# Altium PCB SAMC21_Xplained_Pro.PcbDoc (part 2 of 4)
Units mm, origin at the board's own origin, x right, y up, seen from the top; angles counter-clockwise.
Board outline 60 x 100 mm, 4 copper layers (Top Layer LF-signals, GND, POWER, Bottom Layer LF-signals), stack 1.604 mm thick; 232 components, 162 nets, 1000 pads, 364 vias.
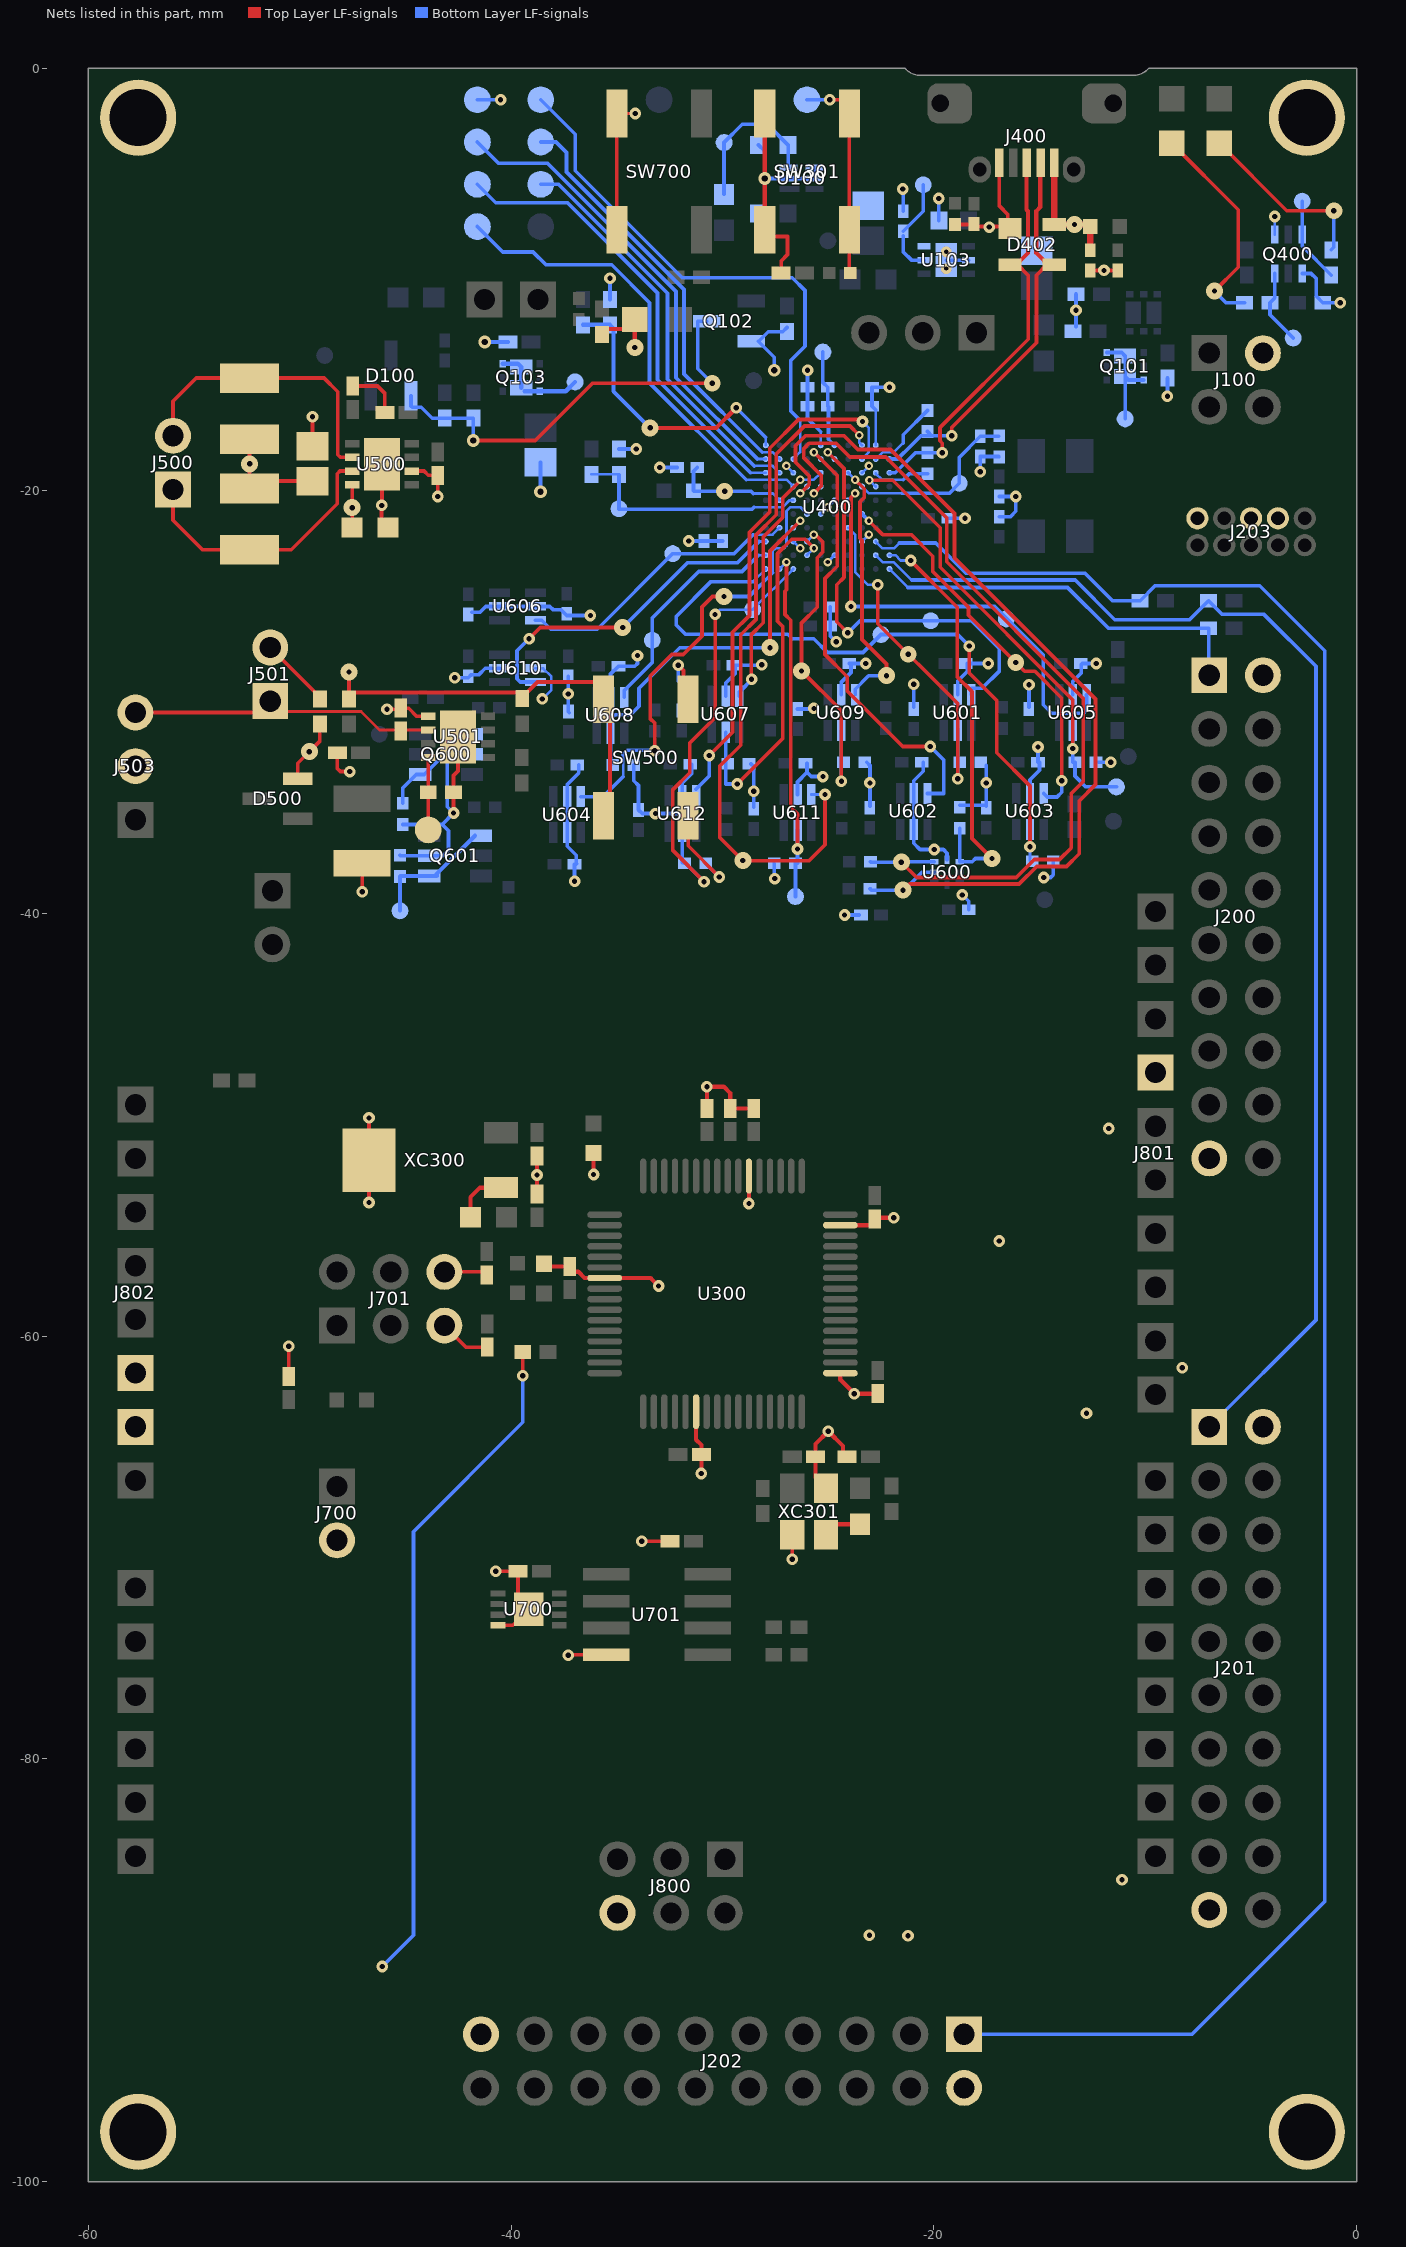
[diagram p4: the nets of this part, all layers, seen from the top]

## Part data
C100 C101 C104: library part A01-0377, "Ceramic capacitor, SMD 0603, X5R, 10V, 10% (de31036)"
C102 C304 C305 C306 C307 C308 C310 C404 C410 C411 C412 C413 C502 C503 C506 C600 C601 C602 C603 C604 C605 C606 C607 C608 C609 C610 C611 C612 C613 C614 C615 C616 C617 C618 C619 C620 C621 C622 C623 C624 C625 C700 C701 C702 C703 C704: library part A01-0246, "Ceramic capacitor, SMD 0402, X7R, 16V, +/-10%"
C103 C105 C107: library part A01-0500, "Ceramic capacitor, SMD 0805, X5R, 10V, ±20%"
C106: library part A01-0050, "Ceramic capacitor, SMD 0402, X7R, 25V, +/-10%"
C108 C309: library part A01-0491, "Ceramic capacitor, SMD 0603, X5R, 16V, 10UF ± 20% (High Density)"
C109 C406 C407 C408: library part A01-0321, "Ceramic capacitor, SMD 0402, C0G, 50V, +/-5%"
C300: library part A01-0286, "Ceramic capacitor, SMD 0402, X5R, 6.3V, +/-10% (de26942)"
C301: library part A01-0046, "Ceramic capacitor, SMD 0402, X7R, 25V, +/-10% (de35287)"
C302 C303: library part A01-0014, "Ceramic capacitor, SMD 0402, NP0, 50V, +/-5%"
C318 C319 C402: library part A01-0015, "Ceramic capacitor, SMD 0402, NP0, 50V, +/-5%"
C400 C401: library part A01-0019, "Ceramic capacitor, SMD 0402, NP0, 50V, +/-5%"
C403: library part A01-0046, "Ceramic capacitor, SMD 0402, X7R, 25V, +/-10%"
C405 C409 C414 C415: library part A01-0300, "Ceramic capacitor, SMD 0402, X5R, 6.3V, +/-20%"
C500: library part A01-0400, "Ceramic capacitor, SMD 0805, X5R, 25V, ±10 %"
C501: library part A01-0017, "Ceramic capacitor, SMD 0402, NP0, 50V, +/-5%"
C504: library part A01-0586, "Ceramic capacitor, SMD 1210, X7S , 50V, ±10%"
C505: library part A01-0030, "Ceramic capacitor, SMD 0402, X7R, 50V, +/-10%"
CS700: library part QTouchButton
D100: library part A04-0001, "Schottky diode, V(rrm)=30V, I(f)=0.1A, V(f)=0.4V (at If = 0.01A), I(r)=0.5uA (at Vrrm), t(rr)=5ns, SMD SOT23"
D400: library part A10-0018, "LED, Green, Wave length=575nm, SMD 0805, ±70°"
D401 D700: library part A10-0019, "LED, Yellow, Wave length=591nm, SMD 0805, ±70°"
D402: library part A06-0236, "Double rail-to-rail USB ESD protection diode"
D500: library part A04-0011, "High-speed Double Diode"
E1 E2 E3 E4: library part A08-0053, "2.8mm adhesive feet,diam 8.0mm"
J100: library part A08-1519, "Pin header, 2x2, Right Angle, 2.54mm, THT, Pin In Paste"
J101: library part A08-0764, "1x2 pin header, right angle, 2.54 mm pitch, through-hole"
J102 J503: library part A08-1799, "1x3 pin header, 2.54mm pitch, Pin-in-Paste THM, 1mm hole"
J103 J104 J105 J106 J300 J302 J504: library part A09-0783, "Default closed SMD strap, 0603 size"
J200 J201 J202: library part A08-1513, "Pin header, 2x10, Right Angle, 2.54mm, THM, Pin In Paste"
J203: library part A08-0385, "2x5 pin header, 1.27mm pitch, THM"
J400: library part A08-2112, "Micro USB AB Connector, Standard SMT + DIP"
J500 J501 J502 J700: library part A08-1754, "1x2 pin header, 2.54mm pitch, Pin-in-Paste THM"
J701 J800: library part A08-1654, "2x3 pin header, 2.54mm pitch, Pin-in-Paste THM"
J801: library part A08-2026, "1x10 receptacle pin header, low insertion force, 2.54mm pitch THM, Pin in Paste"
J802 J804: library part A08-2025, "1x8 receptacle pin header, low insertion force, 2.54mm pitch THM, Pin in Paste"
J803: library part A08-2024, "1x6 receptacle pin header, low insertion force, 2.54mm pitch THM"
JS100 JS101 JS500 JS501: library part A08-0543, "Jumper cap for 2.54mm pinheader"
L300 L401 L402 L700: library part A03-0035, "SMD RF inductor 0603. Z=470Ohm (@100MHz), Max R(dc)=0.65Ohm, Max current=1A"
LABEL1: library part A09-0611, "PCBA identification label PP Top White Gloss"
Q100 Q101 Q103: library part A05-0146, "Dual P-Channel MOSFET, -20V, RDS(ON) < 55 mOhm @-3.4A@-4.5V"
Q102: library part A05-0085, "N-Channel MOSFET. 60V, 0.300A continuous, 1.2A Peak. RDS(ON) = 3.8Ohm@VGS=4.5V, VGS(th)<2.5V"
Q400: library part A05-0051, "Dual N-Channel MOSFET, 60V, 115mA cont,RDS(ON) < 7.5 Ohm @50mA@5V, SOT-363"
Q600 Q601: library part A05-0040, "Dual N/P-ch MOSFET, 20V, 2.7A/-1.9A cont, 8A/-8A pulse, RDS(ON)<0.08/0.17Ohm@VGS=4.5V, VGS(th)<1.5/-1.5V, SSOT6"
R100 R106 R107 R300 R506 R600 R603 R604 R605 R606 R608 R613 R615 R616 R617 R622 R623 R624: library part A02-0260, "Thick film resistor, SMD 0402, 1/16W, 1%"
R103 R410 R413 R424: library part A02-0284, "Thick film resistor, SMD 0402, 1/16W, 1%"
R104 R301 R401 R402 R409 R503: library part A02-0212, "Thick film resistor, SMD 0402, 1/16W, 1%"
R105 R502 R701: library part A02-0236, "Thick film resistor, SMD 0402, 1/16W, 1%"
R109 R110 R111 R112: library part A02-0252, "Thick film resistor, SMD 0402, 1/16W, 1%"
R304 R421 R422 R609 R700: library part A02-0178, "Thick film resistor, SMD 0402, 1/16W, 1%"
R305 R306 R504 R601 R602: library part A02-0228, "Thick film resistor, SMD 0402, 1/16W, 1%"
R313 R314 R610 R611 R612: library part A02-0163, "Thick film resistor, SMD 0402, 1/16W, 1%"
R411 R412 R607 R614 R618 R619 R620 R621 R702: library part A02-0200, "Thick film resistor, SMD 0402, 1/16W, 1%"
R423: library part A02-0539, "Thick film resistor, SMD 0402, 1/16W, 1%"
R500 R501: library part A02-0760, "Thick film resistor, SMD 1210, 0.5W, 1%"
R505: library part A02-0222, "Thick film resistor, SMD 0402, 1/16W, 1%"
R800: library part A02-0163, "RES 0.0 OHM 1/16W 0402 SMD"
SW301 SW500 SW700: library part A08-0790, "6.2x6.2 mm SMD tact switch, same as A08-0091 but less force is needed"
TP300 TP301 TP400 TP401 TP402 TP403 TP404 TP405 TP406 TP407 TP500: library part A08-0004, "Single SMD testpad"
U100: library part A06-0719, "LDO, 200 mA, Iq=31 uA, Vdo=250mV, Vout=3.3V, VIN= 2 V to 5.5V, SON-6 package"
U103: library part A06-1135, "Low noise LDO, 500 mA, Vout=3.3V, 2% accuracy, IQ=46uA, noise=28uVrms, VIN= 2.7V to 6.5V, Vdo=280mV,stable with low ESR capacitor"
U300: library part A06-1192, "Atmel 32-bit RISC MCU 64pin"
U400: library part A06-0736, "AVR 32-bit RISC MCU"
U500: library part A06-1172, "5Mbit/s CAN Trasceiver,VCC = 5V, VIO = 2.8-5V, 3x3 mm VDFN8"
U501: library part A06-1194, "LIN Transceiver"
U600: library part A06-0714, "Dual supply, 2-bit, voltage translator, buffer, repeater, isolator for I2C applications"
U601 U602 U603 U604 U605 U606 U607 U608 U609 U610 U611 U612: library part A06-1038, "Single-Bit Dual-Supply Bus Transceiver with Configurable Voltage Translation and 3-State Outputs"
U700: library part A06-1181, "Secure authentication and product validation device, EEPROM, I2C, 2.0 - 5.5V, UDFN8"
U701: library part A06-1182, "Secure authentication and product validation device, EEPROM, I2C, 2.0 - 5.5V, SOIC8"
XC300: library part A07-0052, "32k768 crystal, +-20ppm, CL=7pF, max ESR 60kOhm, SMD"
XC301: library part A07-0078, "16MHz uXtal, 3.2 x 2.5 mm SMD, CL=9pF, 15PPM, ESR=80ohm(Max."
XC400: library part A07-0042, "Fox FQ5032B 12.0MHz SMD crystal 738B-12"

## Free pads (board coordinates)
  round 0.8 smd far side: 0(-29.925,-3.525) 2(-45.263,-39.875) 3(-25.012,-8.175) 3(-20.5,-5.525)
  round 0.8 smd far side paste-1: 3(-48.825,-13.6) 3(-46.237,-31.525) 3(-36.975,-14.85) 3(-34.9,-20.85) 3(-33.325,-27.075) 3(-32.35,-22.975) 3(-28.573,-25.623) 3(-28.529,-14.787) 3(-26.55,-39.2) 3(-25.25,-13.438) 3(-22.5,-26.8) 3(-20.15,-26.15) 3(-18.8,-19.65) 3(-16.575,-26.063) 3(-14.75,-39.35) 3(-11.5,-35.637) 3(-11.362,-34.012) 3(-10.95,-16.6) 3(-10.8,-32.575) 3(-3,-12.775) 3(-2.575,-6.3)
  round 3.6 hole 2.7 paste-2.6: 666(-57.65,-97.65) 666(-57.65,-2.35) 666(-2.35,-97.65) 666(-2.35,-2.35)

## Via types
v1: diameter 0.55, hole 0.25, Top Layer LF-signals to Bottom Layer LF-signals, 217 vias
v2: diameter 0.55, hole 0.25, Top Layer LF-signals to Bottom Layer LF-signals, tented both sides, 57 vias
v3: diameter 0.55/0.8 (per signal layer), hole 0.25, Top Layer LF-signals to Bottom Layer LF-signals, tented top, 37 vias
v4: diameter 0.55, hole 0.25, Top Layer LF-signals to Bottom Layer LF-signals, tented top, 14 vias
v5: diameter 0.6, hole 0.3, Top Layer LF-signals to Bottom Layer LF-signals, 11 vias
v6: diameter 0.4, hole 0.2, Top Layer LF-signals to Bottom Layer LF-signals, tented both sides, 10 vias
v7: diameter 0.4, hole 0.2, Top Layer LF-signals to Bottom Layer LF-signals, tented top, 7 vias
v8: diameter 0.4, hole 0.2, Top Layer LF-signals to Bottom Layer LF-signals, 6 vias
v9: diameter 0.5, hole 0.2, Top Layer LF-signals to Bottom Layer LF-signals, 2 vias
v10: diameter 0.6/0.8 (per signal layer), hole 0.3, Top Layer LF-signals to Bottom Layer LF-signals, tented top, 2 vias
v11: diameter 0.55/0.55 (per signal layer), hole 0.25, Top Layer LF-signals to Bottom Layer LF-signals, 1 vias

## Nets (pads, with @x,y where several pads share a name; then routed paths per layer and width w, separated by ;. In a path a pad name is that pad's centre, name@x,y a point inside that pad or via, vN(x,y) a via of type N, cw(c..) or ccw(c..) an arc to the next point about the centre after c; other vN are vias at no path point)
CANH: J500.1@-56,-19.94 R500.2 U500.7 | length 12.9
  Top Layer LF-signals w0.175: J500.1@-56,-19.94 -56,-21.395 -54.6,-22.795 R500.2@-52.375,-22.795 -50.4,-22.795 -48.225,-20.62 -48.225,-19.195 -48.1,-19.07 U500.7@-47.524,-19.07
CANL: J500.2@-56,-17.4 R501.1 U500.6 | length 13.9
  Top Layer LF-signals w0.175: J500.2@-56,-17.4 -56,-15.77 -54.9,-14.67 R501.1@-52.375,-14.67 -48.85,-14.67 -48.2,-15.32 -48.2,-18.295 -48.075,-18.42 U500.6@-47.524,-18.42
EDBG_ADC0: R111.1 R112.2 U400.K10 | length 13.8
  Top Layer LF-signals w0.2: v3(-33.425,-17.025) -30.3,-17.025 v2(-29.35,-16.075)
  Bottom Layer LF-signals w0.125: U400.K10@-27.95,-17.85 -27.95,-17.475
  Bottom Layer LF-signals w0.175: v2(-29.35,-16.075) -27.95,-17.475
  Bottom Layer LF-signals w0.2: R111.1@-36.6,-12.15 R112.2@-35.325,-12.15 -35.154,-12.321 -35.154,-15.296 v3(-33.425,-17.025)
EDBG_ADC1: pad.3@-34.9,-20.85 R109.1 R110.2 U400.H6 | length 11.3
  Bottom Layer LF-signals w0.125: R109.1@-36.2,-19.225 R110.2@-34.9,-19.225 ; -28.5,-20.775 -27.147,-20.775 -26.822,-20.45 U400.H6@-26.65,-20.45
  Bottom Layer LF-signals w0.175: pad.3@-34.9,-20.875 -28.6,-20.875 -28.5,-20.775 ; pad.3@-34.9,-20.85 R110.2@-34.9,-19.238
EDBG_CDC_UART_OE: R606.1 U400.D4 U601.5 | length 16.6
  Top Layer LF-signals w0.175: v1(-22.65,-24.45) -22.65,-26.287 -18.875,-30.063 v1(-18.875,-33.625) v1@-18.9,-33.6
  Bottom Layer LF-signals w0.125: U400.D4@-24.05,-21.75 -23.722,-22.079 -23.722,-23.855 -23.126,-24.45 v1(-22.65,-24.45)
  Bottom Layer LF-signals w0.175: v1(-18.875,-33.625) R606.1@-18.875,-32.85 ; R606.1@-18.875,-32.775 U601.5@-18.875,-31.275
  other v3: -21.213,-27.738
EDBG_CDC_UART_RX: pad.3@-20.15,-26.15 U400.E9 U601.3 | length 20.7
  Top Layer LF-signals w0.175: v7(-25.025,-18.175) -24.25,-18.95 -24.25,-24.1 -24.6,-24.45 -24.6,-26.2 v1(-24.075,-26.725)
  Bottom Layer LF-signals w0.15: v7(-25.025,-18.175) U400.E9@-24.7,-18.5
  Bottom Layer LF-signals w0.175: v1(-24.075,-26.725) -23.5,-26.15 -18.225,-26.15 -16.9,-27.475 -16.9,-28.525 -17.725,-29.35 -18.225,-29.35 U601.3@-18.225,-29.65
EDBG_CDC_UART_TX: U400.F9 U602.3 | length 21.2
  Top Layer LF-signals w0.175: v7(-25.675,-18.175) -24.575,-19.275 -24.575,-23.575 -25.15,-24.15 -25.15,-27.75 -24.1,-28.8 -24.1,-29.475 -21.475,-32.1 v1(-20.175,-32.1)
  Bottom Layer LF-signals w0.15: v7(-25.675,-18.175) U400.F9@-25.35,-18.5
  Bottom Layer LF-signals w0.175: U602.3@-20.3,-34.325 -19.537,-34.325 -19.537,-32.737 v1(-20.175,-32.1)
EDBG_DGI_GPIO0: U400.F8 U607.3 | length 12.7
  Top Layer LF-signals w0.175: v2(-28.625,-28.925) -28.646,-28.904 -28.646,-26.821 -28.075,-26.25 -28.075,-22.19 -27.145,-21.26 -27.145,-20.347 v6@-26.299,-19.501
  Bottom Layer LF-signals w0.125: v6(-26.325,-19.475) -25.675,-19.475 U400.F8@-25.35,-19.15
  Bottom Layer LF-signals w0.175: U607.3@-29.2,-29.725 -29.2,-29.525 -28.575,-28.9 -28.575,-28.875 v2@-28.6,-28.85
EDBG_DGI_GPIO0_EN: R615.1 U400.G2 U607.5 | length 17.5
  Top Layer LF-signals w0.175: v2(-29.3,-33.875) -27.152,-31.727 -27.152,-26.422 -27.4,-26.175 -27.4,-22.975 -26.725,-22.3 -26.1,-22.3 v8(-25.675,-22.725)
  Bottom Layer LF-signals w0.125: U400.G2@-26,-23.05 v8(-25.675,-22.725)
  Bottom Layer LF-signals w0.175: U607.5@-29.85,-31.425 -29.85,-32.925 -29.85,-33.875 v2(-29.3,-33.875)
EDBG_DGI_GPIO1: U400.D8 U609.3 | length 12.5
  Top Layer LF-signals w0.175: v6(-23.725,-19.475) -23.29,-19.91 -23.29,-20.315 -23.498,-20.523 -23.498,-21.9 -23.498,-22.25 -23.398,-22.35 -23.398,-27.04 -22.237,-28.2 v3(-22.237,-28.75)
  Bottom Layer LF-signals w0.125: U400.D8@-24.05,-19.15 v6(-23.725,-19.475)
  Bottom Layer LF-signals w0.175: U609.3@-23.725,-29.65 -23.725,-29.388 -23.088,-28.75 v3(-22.237,-28.75)
EDBG_DGI_GPIO1_EN: R617.1 U400.G3 U609.5 | length 16
  Top Layer LF-signals w0.125: v8(-25.679,-22.079) v8@-25.596,-22.079
  Top Layer LF-signals w0.175: v8@-25.596,-22.079 -25.253,-22.422 -25.253,-22.903 -25.523,-23.173 -25.523,-25.512 -26.263,-26.253 v3(-26.263,-28.525) -24.375,-30.413 v2(-24.375,-33.75)
  Bottom Layer LF-signals w0.125: U400.G3@-26,-22.4 v8(-25.679,-22.079)
  Bottom Layer LF-signals w0.175: v2(-24.375,-33.75) U609.5@-24.375,-31.35
EDBG_DGI_GPIO2: U400.C10 U611.3 | length 33.2
  Top Layer LF-signals w0.175: v1(-25.15,-34.375) -25.15,-36.75 -25.9,-37.5 v3(-29.037,-37.5) -30.125,-36.412 -30.125,-33.025 -29.14,-32.04 -29.14,-26.815 -28.415,-26.09 -28.415,-22.092 -27.455,-21.132 -27.455,-18.267 -26.123,-16.935 -23.965,-16.935 v7@-23.55,-17.35
  Bottom Layer LF-signals w0.125: U611.3@-25.8,-34.375 v1(-25.15,-34.375) ; v7(-23.525,-17.375) -23.525,-17.725 U400.C10@-23.4,-17.85
EDBG_DGI_GPIO2_EN: pad.3@-26.55,-39.2 R622.1 U400.J1 U611.5 | length 17.4
  Top Layer LF-signals w0.175: v8(-26.975,-23.375) -26.975,-24.68 -27.048,-24.752 -27.048,-25.852 -26.775,-26.125 -26.775,-34.975 -26.45,-35.3 v1(-26.45,-36.95)
  Bottom Layer LF-signals w0.125: U400.J1@-27.3,-23.7 v8(-26.975,-23.375)
  Bottom Layer LF-signals w0.175: pad.3@-26.55,-39.2 R622.1@-26.55,-37.625 ; R622.1@-26.45,-37.625 v1(-26.45,-36.95) U611.5@-26.45,-36.075
EDBG_DGI_GPIO3: U400.C9 U612.3 | length 24.6
  Top Layer LF-signals w0.175: v2(-30.625,-32.525) -29.525,-31.425 -29.525,-26.7 -28.725,-25.9 -28.725,-21.963 -27.765,-21.003 -27.765,-17.99 -26.4,-16.625 -23.475,-16.625 v2(-23.375,-16.725)
  Bottom Layer LF-signals w0.125: U400.C9@-23.4,-18.5 -23.075,-18.175 -23.075,-17.025 v2(-23.375,-16.725)
  Bottom Layer LF-signals w0.175: U612.3@-31.25,-34.125 -30.625,-33.5 v2(-30.625,-32.525)
EDBG_DGI_GPIO3_EN: pad.3@-28.573,-25.623 R623.1 U400.H1 U612.5 | length 21.4
  Top Layer LF-signals w0.175: v1(-30.875,-38.5) -32.348,-37.027 -32.348,-34.135 -31.55,-33.337 -31.55,-31.938 -30.35,-30.738 v2@-30.35,-25.851
  Bottom Layer LF-signals w0.125: v2(-30.351,-25.851) -30.123,-25.623 pad.3@-28.573,-25.623 U400.H1@-26.65,-23.7
  Bottom Layer LF-signals w0.175: R623.1@-31.9,-37.6 U612.5@-31.9,-36.125 ; R623.1@-31.8,-37.625 -31.75,-37.625 v1(-30.875,-38.5)
EDBG_DGI_I2C_OE: R604.2 U400.A2 U600.5 | length 20
  Top Layer LF-signals w0.175: v1(-21.1,-23.3) -18.889,-25.511 -18.889,-28.814 -18.2,-29.504 -18.2,-36.45 v3(-17.25,-37.4)
  Bottom Layer LF-signals w0.125: U400.A2@-22.1,-23.05 -21.825,-23.05 -21.575,-23.3 v1(-21.1,-23.3)
  Bottom Layer LF-signals w0.175: R604.2@-18.775,-35.975 -18.77,-35.98 U600.5@-18.77,-37.545 ; U600.5@-18.77,-37.55 -18.185,-37.55 -18.035,-37.4 v3(-17.25,-37.4)
EDBG_DGI_I2C_SCL: R602.1 U400.F7 U600.3 | length 41.9
  Top Layer LF-signals w0.175: v6(-25.675,-20.125) -25.325,-19.775 -25.325,-19.275 -26.15,-18.45 -26.15,-18 -25.903,-17.753 -24.625,-17.753 -23.978,-18.4 -22.275,-18.4 -19.39,-21.285 -19.39,-23.362 -12.927,-29.825 -12.927,-33.756 -13.498,-34.327 -13.498,-36.898 -14.05,-37.45 -15.25,-37.45 -16.1,-38.3 -20.813,-38.3 v3(-21.538,-37.575)
  Bottom Layer LF-signals w0.125: v6(-25.675,-20.125) U400.F7@-25.35,-19.8
  Bottom Layer LF-signals w0.175: R602.1@-23,-37.55 -22.975,-37.575 v3(-21.538,-37.575) -21.513,-37.55 U600.3@-19.98,-37.55
EDBG_DGI_I2C_SDA: R601.1 U400.G7 U600.2 | length 44.1
  Top Layer LF-signals w0.175: v6(-26.325,-20.125) -25.9,-19.7 -25.9,-19.302 -26.55,-18.652 -26.55,-17.875 -26.075,-17.4 -24.25,-17.4 -23.6,-18.05 -22.05,-18.05 -19.023,-21.077 -19.023,-23.181 -12.35,-29.854 -12.35,-33.9 -13.125,-34.675 -13.125,-37.175 -13.725,-37.775 -15.137,-37.775 -15.972,-38.61 -21.148,-38.61 v3@-21.488,-38.95
  Bottom Layer LF-signals w0.125: v6(-26.325,-20.125) U400.G7@-26,-19.8
  Bottom Layer LF-signals w0.175: R601.1@-23.025,-38.825 -22.95,-38.9 v3(-21.462,-38.9) ; v3@-21.462,-38.95 -20.562,-38.05 U600.2@-19.98,-38.05
EDBG_DGI_SPI_MISO: pad.3@-33.325,-27.075 U400.K2 U608.3 | length 10.9
  Bottom Layer LF-signals w0.125: -28.3,-23.05 U400.K2@-27.95,-23.05
  Bottom Layer LF-signals w0.175: U608.3@-34.65,-29.775 -34.65,-29.45 -33.325,-28.125 -33.325,-26.025 -31.125,-23.825 -29.075,-23.825 -28.3,-23.05
EDBG_DGI_SPI_MOSI: U400.K3 U610.3 | length 16.2
  Top Layer LF-signals w0.175: v1(-39.152,-27.001) -38.626,-26.475 v3(-34.725,-26.475)
  Bottom Layer LF-signals w0.125: -28.275,-22.4 U400.K3@-27.95,-22.4
  Bottom Layer LF-signals w0.175: v1(-39.152,-27.001) -39.725,-27.574 -39.725,-28.9 -39.575,-29.05 U610.3@-38.85,-29.05 ; v3(-34.725,-26.475) -31.65,-23.4 -29.275,-23.4 -28.275,-22.4
EDBG_DGI_SPI_OE: R616.1 U400.H4 U608.5 | length 18.7
  Top Layer LF-signals w0.175: v3(-27.75,-27.425) -27.75,-22.85 v8@-26.325,-21.425
  Bottom Layer LF-signals w0.125: U400.H4@-26.65,-21.75 v8(-26.325,-21.425)
  Bottom Layer LF-signals w0.175: R616.1@-35.3,-32.975 U608.5@-35.3,-31.475 -35.3,-30.825 -35.075,-30.6 -34.35,-30.6 -33.95,-30.2 -33.95,-29.35 -32.025,-27.425 v3(-27.75,-27.425)
EDBG_DGI_SPI_SCK: pad.3@-32.35,-22.975 U400.J4 U606.3 | length 13.7
  Bottom Layer LF-signals w0.125: -28.55,-22.075 -27.625,-22.075 U400.J4@-27.3,-21.75
  Bottom Layer LF-signals w0.175: U606.3@-38.85,-26.125 -38.55,-26.125 -38.123,-26.552 -35.927,-26.552 pad.3@-32.35,-22.975 -29.45,-22.975 -28.55,-22.075
EDBG_DGI_SPI_SS: U400.G5 U604.3 | length 21.9
  Top Layer LF-signals w0.175: v1(-33.2,-32.3) -33.2,-31 -33.425,-30.775 -33.425,-28.775 -32.402,-27.752 -31.852,-27.752 -30.975,-26.875 -30.975,-25.5 -30.475,-25 v3(-29.925,-25)
  Bottom Layer LF-signals w0.125: -34.7,-33.525 -34.7,-32.47 ; -27.625,-23.875 -27.625,-22.85 -27.5,-22.725 -27.1,-22.725 -26.975,-22.6 -26.975,-21.575 ; -26.972,-21.575 -26.972,-20.967 -26.783,-20.779 -26.322,-20.779 U400.G5@-26,-21.1
  Bottom Layer LF-signals w0.175: U604.3@-36.7,-34.475 -35.65,-34.475 -34.705,-33.53 ; -34.705,-32.475 -34.505,-32.275 -33.225,-32.275 v1(-33.2,-32.3) ; v3(-29.925,-25) -28.75,-25 -27.625,-23.875
EDBG_FORCE_BOOT: TP401.1 U400.H9 | length 25.8
  Bottom Layer LF-signals w0.125: U400.H9@-26.65,-18.5 -26.325,-18.175 -26.325,-16.675
  Bottom Layer LF-signals w0.175: TP401.1@-38.6,-1.5 -36.968,-3.132 -36.968,-4.857 -31.9,-9.925 -26.7,-9.925 -26.1,-10.525 -26.1,-13.163 -26.775,-13.838 -26.775,-16.225 -26.325,-16.675
EDBG_JTAG_TCK: TP402.1 U400.K9 | length 22.3
  Bottom Layer LF-signals w0.125: -28.35,-18.5 U400.K9@-27.95,-18.5
  Bottom Layer LF-signals w0.175: TP402.1@-41.6,-3.5 -40.6,-4.5 -38.275,-4.5 -32.2,-10.575 -32.2,-14.65 -28.35,-18.5
EDBG_JTAG_TDI: TP403.1 U400.K8 | length 21.7
  Bottom Layer LF-signals w0.125: -28.675,-19.15 U400.K8@-27.95,-19.15
  Bottom Layer LF-signals w0.175: TP403.1@-41.6,-5.5 -40.725,-6.375 -37.339,-6.375 -33.075,-10.639 -33.075,-14.75 -28.675,-19.15
EDBG_JTAG_TDO: TP404.1 U400.J8 | length 19.3
  Bottom Layer LF-signals w0.125: -28.5,-18.825 -27.625,-18.825 U400.J8@-27.3,-19.15
  Bottom Layer LF-signals w0.175: TP404.1@-38.6,-5.5 -37.754,-5.5 -32.6,-10.654 -32.6,-14.725 -28.5,-18.825
EDBG_JTAG_TMS: TP405.1 U400.H7 | length 22.3
  Bottom Layer LF-signals w0.125: -28.875,-19.475 -26.975,-19.475 U400.H7@-26.65,-19.8
  Bottom Layer LF-signals w0.175: TP405.1@-41.6,-7.5 -40.4,-8.7 -38.963,-8.7 -38.35,-9.313 -35.238,-9.313 -33.45,-11.1 -33.45,-14.9 -28.875,-19.475
EDBG_RESET_N: TP406.1 U400.J9 | length 20.4
  Bottom Layer LF-signals w0.125: -28.125,-18.175 -27.625,-18.175 U400.J9@-27.3,-18.5
  Bottom Layer LF-signals w0.175: TP406.1@-38.6,-3.5 -37.875,-3.5 -37.379,-3.996 -37.379,-4.921 -31.825,-10.475 -31.825,-14.475 -28.125,-18.175
EDBG_SWCLK: pad.3@-16.575,-26.063 U400.D6 U605.3 | length 21.3
  Top Layer LF-signals w0.175: v2(-23.925,-25.475) -23.925,-20.325 v6@-23.713,-20.112
  Bottom Layer LF-signals w0.125: U400.D6@-24.05,-20.45 v6@-23.713,-20.112
  Bottom Layer LF-signals w0.175: v2(-23.925,-25.475) -17.125,-25.475 -14.825,-27.775 -14.825,-30.125 -14.425,-30.525 -12.925,-30.525 -12.775,-30.375 U605.3@-12.775,-29.65
  other v6: -23.726,-20.126
EDBG_SWD_SWCLK_OE: pad.3@-11.362,-34.012 R613.1 U400.B7 U605.5 | length 22.1
  Top Layer LF-signals w0.175: v8(-23.05,-19.5) -21.95,-19.5 -19.7,-21.75 -19.7,-23.625 -13.425,-29.9 v1(-13.425,-32.2)
  Bottom Layer LF-signals w0.125: v8(-23.05,-19.5) U400.B7@-22.75,-19.8
  Bottom Layer LF-signals w0.175: R613.1@-13.425,-32.85 v1(-13.425,-32.2) U605.5@-13.425,-31.35 ; R613.1@-13.325,-32.85 -13.325,-33.5 -12.813,-34.012 pad.3@-11.362,-34.012
EDBG_SWD_SWDIO_OE: pad.3@-22.5,-26.8 R608.1 U400.K1 U603.5 | length 32.7
  Top Layer LF-signals w0.175: v2(-18.325,-27.35) -18.325,-28.625 -17.027,-29.923 -17.027,-32.398 -15.45,-33.975 v1(-15.45,-36.85)
  Bottom Layer LF-signals w0.125: -28.55,-24.3 U400.K1@-27.95,-23.7
  Bottom Layer LF-signals w0.15: R608.1@-15.45,-37.525 v1(-15.45,-36.85) U603.5@-15.45,-36.025
  Bottom Layer LF-signals w0.175: -28.55,-24.3 -30.541,-24.3 -32.185,-25.944 -32.185,-26.356 -31.756,-26.785 -26.915,-26.785 -26.7,-27 -25.688,-27 -25.037,-27.65 -23.35,-27.65 pad.3@-22.5,-26.8 -18.875,-26.8 v2(-18.325,-27.35)
EDBG_SWDIO: U400.C5 U603.3 | length 19.2
  Top Layer LF-signals w0.175: v6(-23.075,-21.425) -22.425,-22.075 -21.075,-22.075 -20.05,-23.1 -20.05,-23.825 -18.361,-25.514 -18.361,-25.889 v3(-16.125,-28.125) -15.706,-28.544 -15.219,-28.544 -13.95,-29.813 v2(-13.95,-33.725)
  Bottom Layer LF-signals w0.175: U400.C5@-23.4,-21.1 v6(-23.075,-21.425) ; U603.3@-14.8,-34.325 -14.638,-34.488 -14.175,-34.488 -13.95,-34.262 v2(-13.95,-33.725)
EDBG_USB_FS_N: R421.2 U400.B9 | length 3.6
  Bottom Layer LF-signals w0.125: U400.B9@-22.751,-18.524 -22.402,-18.175 -21.875,-18.175 -21.45,-17.75
  Bottom Layer LF-signals w0.18: -21.45,-17.75 -21.45,-17.35 R421.2@-20.3,-16.2
EDBG_USB_FS_P: R422.2 U400.B8 | length 2.7
  Bottom Layer LF-signals w0.125: U400.B8@-22.751,-19.174 -22.448,-19.476 -21.451,-19.476
  Bottom Layer LF-signals w0.18: -21.451,-19.476 -21.175,-19.2 R422.2@-20.3,-19.2
EDBG_USB_HS_N: D402.3 J400.2 R421.1 U400.A9 | length 19.3
  Top Layer LF-signals w0.18: v4(-19.15,-17.4) -19.15,-17 -15.15,-13 -15.15,-9.8 -14.65,-9.3 D402.3@-14.3,-9.3
  Top Layer LF-signals w0.2: J400.2@-14.95,-4.475 -14.964,-4.489 -14.964,-6.575 -15.15,-6.761 -15.15,-8.75 D402.3@-14.5,-9.4
  Bottom Layer LF-signals w0.18: U400.A9@-22.1,-18.5 -21.712,-18.5 -21.032,-17.82 -21.03,-17.82 -20.61,-17.4 R421.1@-20.1,-17.4 ; R421.1@-20.3,-17.2 R421.1@-20.1,-17.4 ; v4(-19.15,-17.4) R421.1@-20.1,-17.4
EDBG_USB_HS_P: D402.2 J400.3 R422.1 U400.A8 | length 19.3
  Top Layer LF-signals w0.18: v4(-19.6,-18.2) -19.6,-17.749 -19.715,-17.634 -19.715,-17.015 -15.53,-12.83 -15.53,-9.82 -16.05,-9.3 D402.2@-16.4,-9.3
  Top Layer LF-signals w0.2: D402.2@-16.05,-9.25 -15.55,-8.75 -15.55,-6.764 -15.614,-6.7 -15.614,-4.489 J400.3@-15.6,-4.475
  Bottom Layer LF-signals w0.18: U400.A8@-22.1,-19.15 -21.825,-19.15 -20.875,-18.2 R422.1@-20.3,-18.2 v4(-19.6,-18.2) v4@-19.7,-18.2
GND: C100.2 C101.2 C102.2 C103.2 C104.2 C105.2 C106.1 C107.2 C108.2 C300.2 C301.2 C302.2 C303.2 C304.2 C305.2 C306.2 C307.2 C308.2 C309.2 C310.2 C318.2 C319.2 C400.2 C401.2 C402.2 C403.1 C404.2 C405.2 C406.2 C407.2 C408.2 C409.2 C410.2 C411.2 C412.2 C413.2 C414.2 C415.2 C500.2 C501.2 C502.2 C503.2 C504.2 C505.2 C506.2 C600.2 C601.1 C602.2 C603.1 C604.2 C605.1 C606.2 C607.1 C608.2 C609.1 C610.2 C611.1 C612.2 C613.1 C614.2 C615.1 C616.2 C617.1 C618.2 C619.1 C620.2 C621.1 C622.2 C623.1 C624.2 C625.1 C700.2 C701.2 C702.2 C703.2 C704.2 D402.1 J100.2@-4.43,-13.49 J200.2@-4.43,-28.73 J200.19@-6.97,-51.59 J201.2@-4.43,-64.29 J201.19@-6.97,-87.15 J202.2@-18.57,-95.57 J202.19@-41.43,-93.03 J203.3@-3.72,-21.305 J203.5@-4.99,-21.305 J203.9@-7.53,-21.305 J400.5 J503.2@-57.778,-33.03 J504.2 J700.2@-48.24,-69.66 J701.5@-43.16,-59.5 J701.6@-43.16,-56.96 J800.6@-34.969,-87.29 J801.7@-9.518,-47.526 J802.6@-57.778,-61.75 J802.7@-57.778,-64.29 pad.666 Q102.2 Q400.1 Q400.4 Q600.5 Q601.5 R103.1 R105.1 R106.1 R107.1 R110.1 R112.1 R413.1 R423.1 R424.1 R506.1 R600.1 R604.1 R605.1 R606.2 R608.2 R613.2 R615.2 R616.2 R617.2 R622.2 R623.2 SW301.1 SW301.2 SW500.1 SW500.2 SW700.1 SW700.2 TP400.1 U100.2 U100.4 U100.5 U103.3 U103.5 U103.7 U300.7 U300.22 U300.33 U300.47 U300.54 U400.B10 U400.C3 U400.C8 U400.E2 U400.E6 U400.F5 U400.F10 U400.H3 U400.H8 U500.2 U500.9 U501.5 U501.9 U600.4 U601.2 U602.2 U602.5 U603.2 U604.2 U604.5 U605.2 U606.2 U606.5 U607.2 U608.2 U609.2 U610.2 U610.5 U611.2 U612.2 U700.4 U700.9 U701.4 XC300.3 XC301.2 XC301.4 | length 211
  Top Layer LF-signals w0.125: SW700.2@-35,-2.15 v1(-34.125,-2.15) ; R424.1@-19.025,-7.5 R424.1@-19,-7.5 ; v1@-17.401,-7.494 v1@-17.238,-7.475
  Top Layer LF-signals w0.175: C700.2@-50.525,-61.9 v1(-50.525,-60.475) ; C500.2@-49.4,-17.895 v1(-49.4,-16.495) ; C506.2@-48.225,-32.4 -48.225,-33.137 -48.075,-33.288 v1(-47.637,-33.288) ; C503.2@-47.5,-15.045 -46.325,-15.045 -45.975,-15.395 C501.2@-45.975,-16.295 ; v1(-47.05,-38.97) C504.2@-47.05,-37.62 ; v1(-46.725,-53.675) XC300.3@-46.725,-51.675 v2(-46.725,-49.675) ; U500.9@-45.975,-18.608 U500.9@-46.112,-18.745 -46.112,-20.682 v1(-46.125,-20.695) -46.133,-20.703 -46.133,-21.372 -45.825,-21.68 J504.2@-45.825,-21.745 ; v1(-45.875,-30.345) -45.275,-30.345 -45.225,-30.295 -44.85,-30.295 -44.475,-30.67 U501.5@-43.925,-30.67 ; U500.2@-44.7,-19.07 -44.125,-19.07 -43.925,-19.27 C502.2@-43.475,-19.27 v1(-43.475,-20.27) ; J701.5@-43.16,-59.5 -42.135,-60.525 C703.2@-41.125,-60.525 ; J701.6@-43.16,-56.96 -41.415,-56.96 C704.2@-41.275,-57.1 ; v1@-42.725,-35.075 R506.1@-42.725,-34.27 -42.725,-33.47 -42.512,-33.257 U501.9@-42.512,-31.645 ; v1(-40.725,-71.125) C701.2@-39.675,-71.125 -39.675,-72.425 U700.9@-39.175,-72.925 -39.925,-73.675 U700.4@-40.625,-73.675 ; v1(-37.3,-75.1) -37.28,-75.08 U701.4@-35.5,-75.08 ; v1(-36.1,-52.35) C108.2@-36.1,-51.336 ; SW700.1@-35,-7.65 SW700.2@-35,-2.15 ; v1(-33.825,-69.7) C702.2@-32.475,-69.7 ; v1(-32.1,-28.25) -31.85,-28.5 SW500.1@-31.85,-29.65 ; SW500.2@-31.625,-35.375 -31.625,-36.8 v2(-30.15,-38.275) ; C308.2@-29.637,-49.225 C300.2@-28.525,-49.225 ; SW301.1@-28,-7.65 -27.675,-7.975 -26.925,-7.975 -26.925,-8.825 -27.225,-9.125 C301.2@-27.225,-9.7 ; v1(-26.7,-70.55) XC301.2@-26.7,-69.4 ; R424.1@-19,-7.4 -18.125,-7.4 C403.1@-18.1,-7.375 -17.975,-7.5 D402.1@-16.5,-7.5 ; J400.5@-16.9,-5.15 -16.9,-6.525 -16.5,-6.925 D402.1@-16.5,-7.5 ; D402.1@-16.4,-7.6 D402.1@-16.5,-7.5 ; C407.2@-12.6,-9.575 C408.2@-11.3,-9.575
  Top Layer LF-signals w0.2: C303.2@-38.775,-53.275 C302.2@-38.775,-51.475 ; C309.2@-38.45,-56.577 -38.327,-56.7 C310.2@-37.225,-56.7 -36.975,-56.95 -36.825,-56.95 -36.525,-57.25 U300.7@-35.575,-57.25 -33.4,-57.25 v1(-33.025,-57.625) ; U300.22@-31.25,-63.575 -31.25,-64.9 -31,-65.15 C306.2@-31,-65.5 ; v1(-31,-66.5) C306.2@-31,-65.6 ; C307.2@-30.738,-49.225 v1(-30.738,-48.2) -29.937,-48.2 -29.637,-48.5 C308.2@-29.637,-49.225 ; v1(-28.75,-53.725) U300.54@-28.75,-52.425 ; SW301.1@-28,-7.65 v5(-28,-5.225) SW301.2@-28,-2.15 ; XC301.4@-25.1,-67.2 -25.6,-66.7 C318.2@-25.6,-65.7 -25.6,-65.1 v1(-25,-64.5) -24.3,-65.2 -24.3,-65.5 C319.2@-24.1,-65.7 ; U300.33@-24.425,-61.75 -24.425,-62.062 v1(-23.762,-62.725) C305.2@-22.65,-62.725 ; U300.47@-24.425,-54.75 -22.95,-54.75 C304.2@-22.7,-54.5 ; C304.2@-22.7,-54.4 v1(-21.9,-54.4)
  Bottom Layer LF-signals w0.125: U610.2@-38.85,-28.4 -38.487,-28.4 -38.1,-28.788 -38.1,-29.425 v1(-38.525,-29.85) ; v7(-26.975,-18.825) U400.H8@-26.65,-19.15 ; U400.H3@-26.65,-22.4 v6(-26.325,-22.725) ; U400.F5@-25.35,-21.1 v7(-25.025,-20.775) U400.E6@-24.7,-20.45 ; U400.F10@-25.35,-17.85 -25.35,-17.212 ; U400.C8@-23.4,-19.15 v7(-23.075,-18.825) ; U400.B10@-22.75,-17.85 C410.2@-22.75,-16.175 ; R423.1@-16.925,-18.4 R423.1@-16.9,-18.4 ; Q400.1@-3.875,-7.875 v4@-3.875,-7.1
  Bottom Layer LF-signals w0.15: v7(-25.025,-23.375) U400.E2@-24.7,-23.05 ; U400.C3@-23.4,-22.4 v6(-23.075,-22.075)
  Bottom Layer LF-signals w0.175: R605.1@-45.263,-37.25 -45.238,-37.275 Q601.5@-43.875,-37.275 -43.225,-37.275 -42.962,-37.013 -42.962,-36.087 -43.262,-35.787 ; R600.1@-45.125,-35.787 -43.262,-35.787 ; v1(-42.675,-28.85) -42.025,-28.85 -41.875,-28.7 -41.525,-28.7 -41.225,-28.4 U610.5@-40.55,-28.4 ; Q600.5@-41.85,-32.475 -42.638,-32.475 -43.025,-32.862 -43.025,-34.95 v1(-42.725,-35.25) -43.262,-35.787 ; C613.1@-41.85,-25.75 -41.475,-25.75 -41.2,-25.475 U606.5@-40.55,-25.475 U606.2@-38.85,-25.475 -38.175,-25.475 -38.025,-25.625 -37.65,-25.625 -37.375,-25.9 v1(-36.25,-25.9) ; TP400.1@-41.6,-1.5 v4(-40.5,-1.5) ; v5(-41.25,-12.965) C102.2@-40.15,-12.965 ; v5(-38.613,-20.05) C103.2@-38.613,-18.663 ; C620.2@-37.3,-28.775 -37.3,-30.45 C617.1@-37.25,-30.5 ; v1(-37,-38.475) C609.1@-37,-37.675 ; C609.1@-36.9,-37.65 -36.925,-37.675 -36.925,-37.25 -37.35,-36.825 U604.5@-37.35,-36.175 U604.2@-37.35,-34.475 -37.35,-33.9 -36.8,-33.35 C608.2@-36.8,-32.975 ; U608.2@-35.3,-29.775 -35.3,-28.675 C616.2@-34.925,-28.3 -34.15,-28.3 -34.025,-28.175 v1(-34.025,-27.8) ; R110.1@-34.9,-18.025 v1(-34.075,-18.025) ; R616.2@-34.2,-32.975 -34.2,-33.725 -33.975,-33.95 C625.1@-33.975,-35.1 -33.8,-35.275 -32.075,-35.275 -31.9,-35.1 U612.2@-31.9,-34.425 -31.9,-33.825 -31.45,-33.375 C624.2@-31.45,-32.95 ; v1(-32.975,-18.9) C404.2@-32.15,-18.9 ; v1(-32.1,-28.25) -32.1,-28.975 -31.925,-29.15 C615.1@-31.925,-30.325 ; v1(-31.6,-22.375) C414.2@-30.875,-22.375 C413.2@-30,-22.375 ; R623.2@-30.8,-37.625 v2(-30.15,-38.275) ; U607.2@-29.85,-29.725 -29.85,-29.1 -29.4,-28.65 C614.2@-29.4,-28.25 ; C614.2@-29.475,-28.25 C614.2@-29.4,-28.25 ; R615.2@-28.65,-32.925 -28.525,-33.05 C623.1@-28.525,-34.975 ; C100.2@-28.3,-3.638 -28,-3.937 v5(-28,-5.225) ; C101.2@-28.212,-6.887 -28,-6.675 v5(-28,-5.225) ; v2(-28.149,-28.236) -28.163,-28.25 C614.2@-29.4,-28.25 ; R622.2@-27.55,-37.625 -27.55,-38.325 v1(-27.525,-38.35) ; v5(-27.55,-14.3) -27.55,-13.687 -28.313,-12.925 -28.287,-12.925 -27.837,-12.475 -27.15,-12.475 R105.1@-26.95,-12.275 ; U611.2@-26.45,-34.375 -26.45,-33.775 -26,-33.325 ; C619.1@-26.45,-30.325 -25.7,-30.325 v2(-25.675,-30.3) ; C622.2@-26,-32.9 -26,-33.325 ; v2(-25.975,-14.3) C405.2@-25.975,-15.1 C406.2@-25.975,-16 -25.975,-16.587 -25.35,-17.212 ; U100.4@-25.638,-4.725 U100.5@-25.638,-5.225 U100.2@-26.888,-5.225 v5(-28,-5.225) ; v1(-25.25,-33.525) -25.8,-33.525 -26,-33.325 ; C412.2@-24.9,-25.5 C415.2@-24.9,-26.4 -24.9,-26.875 v2(-24.625,-27.15) ; U609.2@-24.375,-29.65 -24.375,-29.05 -23.925,-28.6 C618.2@-23.925,-28.175 ; v1(-24.225,-40.075) C600.2@-23.525,-40.075 ; C618.2@-24,-28.175 C618.2@-23.925,-28.175 ; v2(-23.225,-28.175) C618.2@-23.925,-28.175 ; R617.2@-23.175,-32.85 -23.025,-33 C605.1@-23.025,-34.925 ; C410.2@-22.75,-16.175 C410.2@-22.925,-16 C409.2@-22.925,-15.1 v2(-22.1,-15.1) ; v2(-21.475,-5.725) -21.45,-5.75 C106.1@-21.45,-6.775 ; C603.1@-20.95,-30.25 v1(-20.95,-29.15) ; C604.2@-20.5,-32.85 -20.5,-33.275 -20.95,-33.725 U602.2@-20.95,-34.325 U602.5@-20.95,-36.025 -20.95,-36.675 -20.65,-36.975 v1(-19.975,-36.975) -19.55,-36.975 -19.375,-37.15 U600.4@-19.375,-37.45 ; C104.2@-19.762,-7.213 v2(-19.763,-6.175) ; U103.7@-19.413,-9.088 U103.5@-18.363,-9.088 ; C411.2@-19.325,-21.3 v4(-18.525,-21.3) ; U601.2@-18.875,-29.65 -18.875,-29 -18.425,-28.55 -18.425,-28.175 v1(-17.425,-28.175) ; R604.1@-18.775,-34.875 -17.575,-34.875 -17.525,-34.925 v1(-17.525,-33.825) R606.2@-17.525,-33 ; v1(-18.662,-39.123) -18.652,-39.123 -18.35,-39.425 C601.1@-18.35,-39.825 ; v4(-17.8,-19.1) C402.2@-17.8,-18.375 R423.1@-16.925,-18.375 ; C400.2@-16.9,-21.225 -16.375,-21.225 -16.125,-20.975 v4(-16.125,-20.275) C401.2@-16.9,-20.275 ; C611.1@-15.5,-30.25 v1(-15.5,-29.175) ; U603.2@-15.45,-34.325 -15.45,-33.675 -15,-33.225 C606.2@-15,-32.85 ; C606.2@-15.075,-32.85 v1(-15.075,-32.125) ; v1(-14.8,-38.3) -14.475,-38.3 -14.35,-38.175 R608.2@-14.35,-37.525 ; U605.2@-13.425,-29.65 -13.425,-29.025 -13.025,-28.625 -13.025,-28.225 -12.975,-28.175 v1(-12.313,-28.175) ; R613.2@-12.225,-32.85 v1(-11.625,-32.85) ; Q400.4@-2.575,-9.725 -2.15,-9.725 -1.9,-9.975 -1.9,-10.8 R413.1@-1.6,-11.1 v4(-0.775,-11.1)
  Bottom Layer LF-signals w0.2: R112.1@-35.325,-10.95 v2(-35.325,-9.95) ; R107.1@-13.275,-12.225 R103.1@-13.275,-10.7 ; v1(-8.95,-15.525) R106.1@-8.95,-14.675
  other v1: -38.775,-52.375 -33.175,-35.275 -28.525,-34.225 -23.025,-33.825 -37.3,-29.612 -13.275,-11.462 -11.95,-9.575 -17.375,-7.525
  other v2: -21.225,-88.375 -23.05,-88.35 -11.1,-85.725 -12.775,-63.65 -8.25,-61.5 -16.9,-55.5 -11.725,-50.175
  other v4: -3.875,-7.025
  other v9: -19.413,-9.487 -19.413,-8.688
ID1: J200.1@-6.97,-28.73 R409.1 U400.A1 | length 18.5
  Bottom Layer LF-signals w0.125: U400.A1@-22.1,-23.7 -21.225,-24.575
  Bottom Layer LF-signals w0.175: -21.225,-24.575 -13.675,-24.575 -11.75,-26.5 R409.1@-7,-26.5 -7,-28.7 J200.1@-6.97,-28.73
ID2: J201.1@-6.97,-64.29 R402.1 U400.B2 | length 61.8
  Bottom Layer LF-signals w0.125: U400.B2@-22.75,-23.05 -22.425,-23.375 -21.9,-23.375 -21.05,-24.225 ; J201.1@-6.978,-64.29 J201.1@-6.974,-64.286
  Bottom Layer LF-signals w0.175: -21.05,-24.225 -13.313,-24.225 -11.438,-26.1 -7.9,-26.1 R402.1@-7,-25.2 -6.35,-25.85 -4.375,-25.85 -1.918,-28.307 -1.918,-59.238 J201.1@-6.97,-64.29
ID3: J202.1@-18.57,-93.03 R401.1 U400.B3 | length 103
  Bottom Layer LF-signals w0.125: U400.B3@-22.75,-22.4 -22.425,-22.725 -21.875,-22.725 -21.625,-22.475
  Bottom Layer LF-signals w0.175: -21.625,-22.475 -19.913,-22.475 -18.487,-23.9 -12.85,-23.9 -11.55,-25.2 R401.1@-10.237,-25.2 -9.537,-24.5 -4.575,-24.5 -1.5,-27.575 -1.5,-86.75 -7.78,-93.03 J202.1@-18.57,-93.03
LIN: C505.1 J501.1@-51.4,-29.957 J503.3@-57.778,-30.49 U501.6 | length 14.2
  Top Layer LF-signals w0.125: J501.1@-51.4,-30.47 -51.375,-30.445 -47.1,-30.445 -46.225,-31.32 U501.6@-43.925,-31.32
  Top Layer LF-signals w0.175: J503.3@-57.778,-30.49 -51.42,-30.49 J501.1@-51.4,-30.47
NetC100_1: C100.1 J104.2 pad.0 U100.3 | length 7.3
  Bottom Layer LF-signals w0.175: J104.2@-29.925,-5.975 pad.0@-29.925,-3.525 -29.062,-2.662 -27.875,-2.662 C100.1@-26.9,-3.638 -26.888,-3.65 U100.3@-26.888,-4.725
NetC106_2: C106.2 pad.3@-20.5,-5.525 U103.2 | length 4.4
  Bottom Layer LF-signals w0.175: -21.45,-8.7 -21.063,-9.088 U103.2@-20.463,-9.088 ; -21.45,-8.625 C106.2@-21.45,-7.942 ; C106.2@-21.45,-7.725 -20.5,-6.775 pad.3@-20.5,-5.525
NetC402_1: C402.1 pad.3@-18.8,-19.65 R423.2 U400.C7 | length 8.4
  Bottom Layer LF-signals w0.125: U400.C7@-23.4,-19.8 -23.075,-20.125 -21.525,-20.125
  Bottom Layer LF-signals w0.175: -21.525,-20.125 -19.275,-20.125 pad.3@-18.8,-19.65 -18.8,-18.425 C402.1@-17.8,-17.425 R423.2@-16.925,-17.425
NetC404_1: C404.1 L402.2 U400.J6 | length 5.4
  Bottom Layer LF-signals w0.125: -28.55,-20.128 -27.622,-20.128 U400.J6@-27.3,-20.45
  Bottom Layer LF-signals w0.175: C404.1@-31.2,-18.9 -31.375,-19.075 L402.2@-31.375,-20 -31.35,-20.025 v3(-29.9,-20.025) -28.653,-20.025 -28.55,-20.128
NetC405_1: C405.1 C406.1 pad.3@-25.25,-13.438 U400.E10 | length 4.6
  Bottom Layer LF-signals w0.125: -24.987,-17.563 U400.E10@-24.7,-17.85
  Bottom Layer LF-signals w0.175: pad.3@-25.25,-13.438 -25.25,-14.875 C405.1@-25.025,-15.1 C406.1@-25.025,-16 -24.987,-16.038 -24.987,-17.563
NetC407_1: C407.1 D402.4 J400.1 L401.1 | length 5.1
  Top Layer LF-signals w0.2: C407.1@-12.7,-8.725 C407.1@-12.7,-8.625
  Top Layer LF-signals w0.3: J400.1@-14.3,-5.15 D402.4@-14.3,-7.4 v3(-13.35,-7.4) L401.1@-12.7,-7.4 ; C407.1@-12.6,-8.625 L401.1@-12.6,-7.5
NetC500_1: C500.1 R500.1 R501.2 | length 5.4
  Top Layer LF-signals w0.2: R501.2@-52.375,-17.57 R500.1@-52.375,-19.895 -52.025,-19.545 C500.1@-49.4,-19.545
  other v3: -52.375,-18.725
NetCS700_1: CS700.1 R701.1 | length 31.8
  Top Layer LF-signals w0.175: v1(-39.45,-61.875) R701.1@-39.45,-60.75
  Bottom Layer LF-signals w0.175: v11(-46.1,-89.825) -44.625,-88.35 -44.625,-69.25 -39.45,-64.075 v1(-39.45,-61.875)
NetD100_1: D100.1 Q102.3 R100.1 R104.1 | length 20.8
  Top Layer LF-signals w0.175: v5(-41.788,-17.625) -38.862,-17.625 -36.15,-14.913 v3(-30.487,-14.913)
  Bottom Layer LF-signals w0.175: D100.1@-44.738,-15.5 -44.738,-15.988 -44.675,-16.05 -44.25,-16.05 -43.735,-16.565 R100.1@-43.138,-16.565 R104.1@-41.788,-16.565 v5(-41.788,-17.625) ; Q102.3@-30.75,-11.975 -31.175,-11.975 -31.175,-14.225 v3(-30.487,-14.913)
NetD400_1: D400.1 R411.2 | length 10.4
  Top Layer LF-signals w0.175: D400.1@-8.75,-3.55 -5.6,-6.7 -5.6,-9.425 v3(-6.725,-10.55)
  Bottom Layer LF-signals w0.175: v3(-6.725,-10.55) -6.175,-11.1 R411.2@-5.3,-11.1
NetD401_1: D401.1 R412.2 | length 8.7
  Top Layer LF-signals w0.175: D401.1@-6.5,-3.55 -3.3,-6.75 v3(-1.075,-6.75)
  Bottom Layer LF-signals w0.175: R412.2@-1.2,-8.6 -1.075,-8.475 v3(-1.075,-6.75)
NetD500_2: D500.2 R503.2 | length 3
  Top Layer LF-signals w0.175: D500.2@-50.1,-33.62 -50.1,-32.895 -49.05,-31.845 R503.2@-49.05,-31.045
  other v3: -49.55,-32.345
NetD700_2: D700.2 R702.1 | length 2.2
  Top Layer LF-signals w0.2: R702.1@-35.475,-12.35 D700.2@-34.5,-12.35 ; v3(-34.15,-13.225) D700.2@-34.15,-12
NetJ300_1: J300.1 XC301.3 | length 1.8
  Top Layer LF-signals w0.2: XC301.3@-25.1,-69.4 -24.6,-68.9 J300.1@-23.5,-68.9
NetJ302_1: J302.1 XC300.1 | length 2.6
  Top Layer LF-signals w0.2: J302.1@-41.925,-54.375 -41.925,-53.425 -41.475,-52.975 XC300.1@-40.475,-52.975
NetJ501_2: J501.2@-51.4,-27.417 R503.1 | length 3.4
  Top Layer LF-signals w0.175: J501.2@-51.4,-27.417 -49.05,-29.767 R503.1@-49.05,-29.845
NetJ504_1: J504.1 U500.8 | length 2
  Top Layer LF-signals w0.175: J504.1@-47.525,-21.745 U500.8@-47.524,-19.72
  other v3: -47.525,-20.8
NetQ101_3: pad.3@-10.95,-16.6 Q101.3 Q101.6 Q101.7 Q101.8 | length 4.9
  Bottom Layer LF-signals w0.175: Q101.6@-11.825,-13.46 -11.11,-13.46 Q101.7@-10.95,-13.62 Q101.8@-10.95,-14.6 ; pad.3@-10.95,-16.6 Q101.8@-10.95,-14.6 ; Q101.3@-10.075,-14.76 -10.79,-14.76 Q101.8@-10.95,-14.6
NetQ103_3: pad.3@-36.975,-14.85 Q103.3 Q103.6 Q103.7 Q103.8 | length 4.5
  Bottom Layer LF-signals w0.2: Q103.3@-40.4,-13.99 -39.685,-13.99 Q103.8@-39.525,-14.15 Q103.7@-39.525,-15.13 ; Q103.7@-39.365,-15.29 Q103.6@-38.65,-15.29 -37.415,-15.29 pad.3@-36.975,-14.85
NetQ400_3: pad.3@-2.575,-6.3 Q400.3 R412.1 | length 4.1
  Bottom Layer LF-signals w0.175: pad.3@-2.575,-6.3 Q400.3@-2.575,-7.875 -2.575,-8.425 R412.1@-1.2,-9.8
NetQ400_6: pad.3@-3,-12.775 Q400.6 R411.1 | length 3.6
  Bottom Layer LF-signals w0.175: Q400.6@-3.875,-9.725 -3.875,-10.875 R411.1@-4.1,-11.1 -4.1,-11.675 pad.3@-3,-12.775
NetQ600_1: Q600.1 Q600.4 R600.2 | length 5.1
  Bottom Layer LF-signals w0.175: R600.2@-45.125,-34.787 -45.125,-34.062 -44.488,-33.425 Q600.1@-44.3,-33.425 -44.11,-33.425 -42.21,-31.525 Q600.4@-41.85,-31.525
NetQ601_1: pad.2 Q601.1 Q601.4 R605.2 | length 6
  Bottom Layer LF-signals w0.175: pad.2@-45.263,-39.875 R605.2@-45.263,-38.25
  Bottom Layer LF-signals w0.2: R605.2@-45.263,-38.25 -45.237,-38.225 Q601.4@-43.875,-38.225 -43.525,-38.225 -43.525,-38.137 Q601.1@-41.712,-36.325
NetR304_1: R304.1 SW301.3 SW301.4 TP301.1 | length 10
  Top Layer LF-signals w0.175: v4(-24.925,-1.5) -24.3,-1.5 -24,-1.8 SW301.4@-24,-2.15 SW301.3@-24,-7.65 R304.1@-24,-9.7
  Bottom Layer LF-signals w0.175: TP301.1@-26,-1.5 v4(-24.925,-1.5)
NetR502_1: R502.1 R505.1 SW500.3 SW500.4 | length 20.6
  Top Layer LF-signals w0.175: v3(-47.675,-28.575) R502.1@-47.675,-29.845 -47.375,-29.545 -39.625,-29.545 -39.435,-29.735 -38.75,-29.05 -35.325,-29.05 -35.325,-35.145 SW500.4@-35.625,-35.445
NetR506_2: R506.2 TP500.1 U501.8 | length 3.4
  Top Layer LF-signals w0.175: TP500.1@-43.925,-36.045 U501.8@-43.925,-32.62